# KiCad board master-circuit.kicad_pcb (continued)
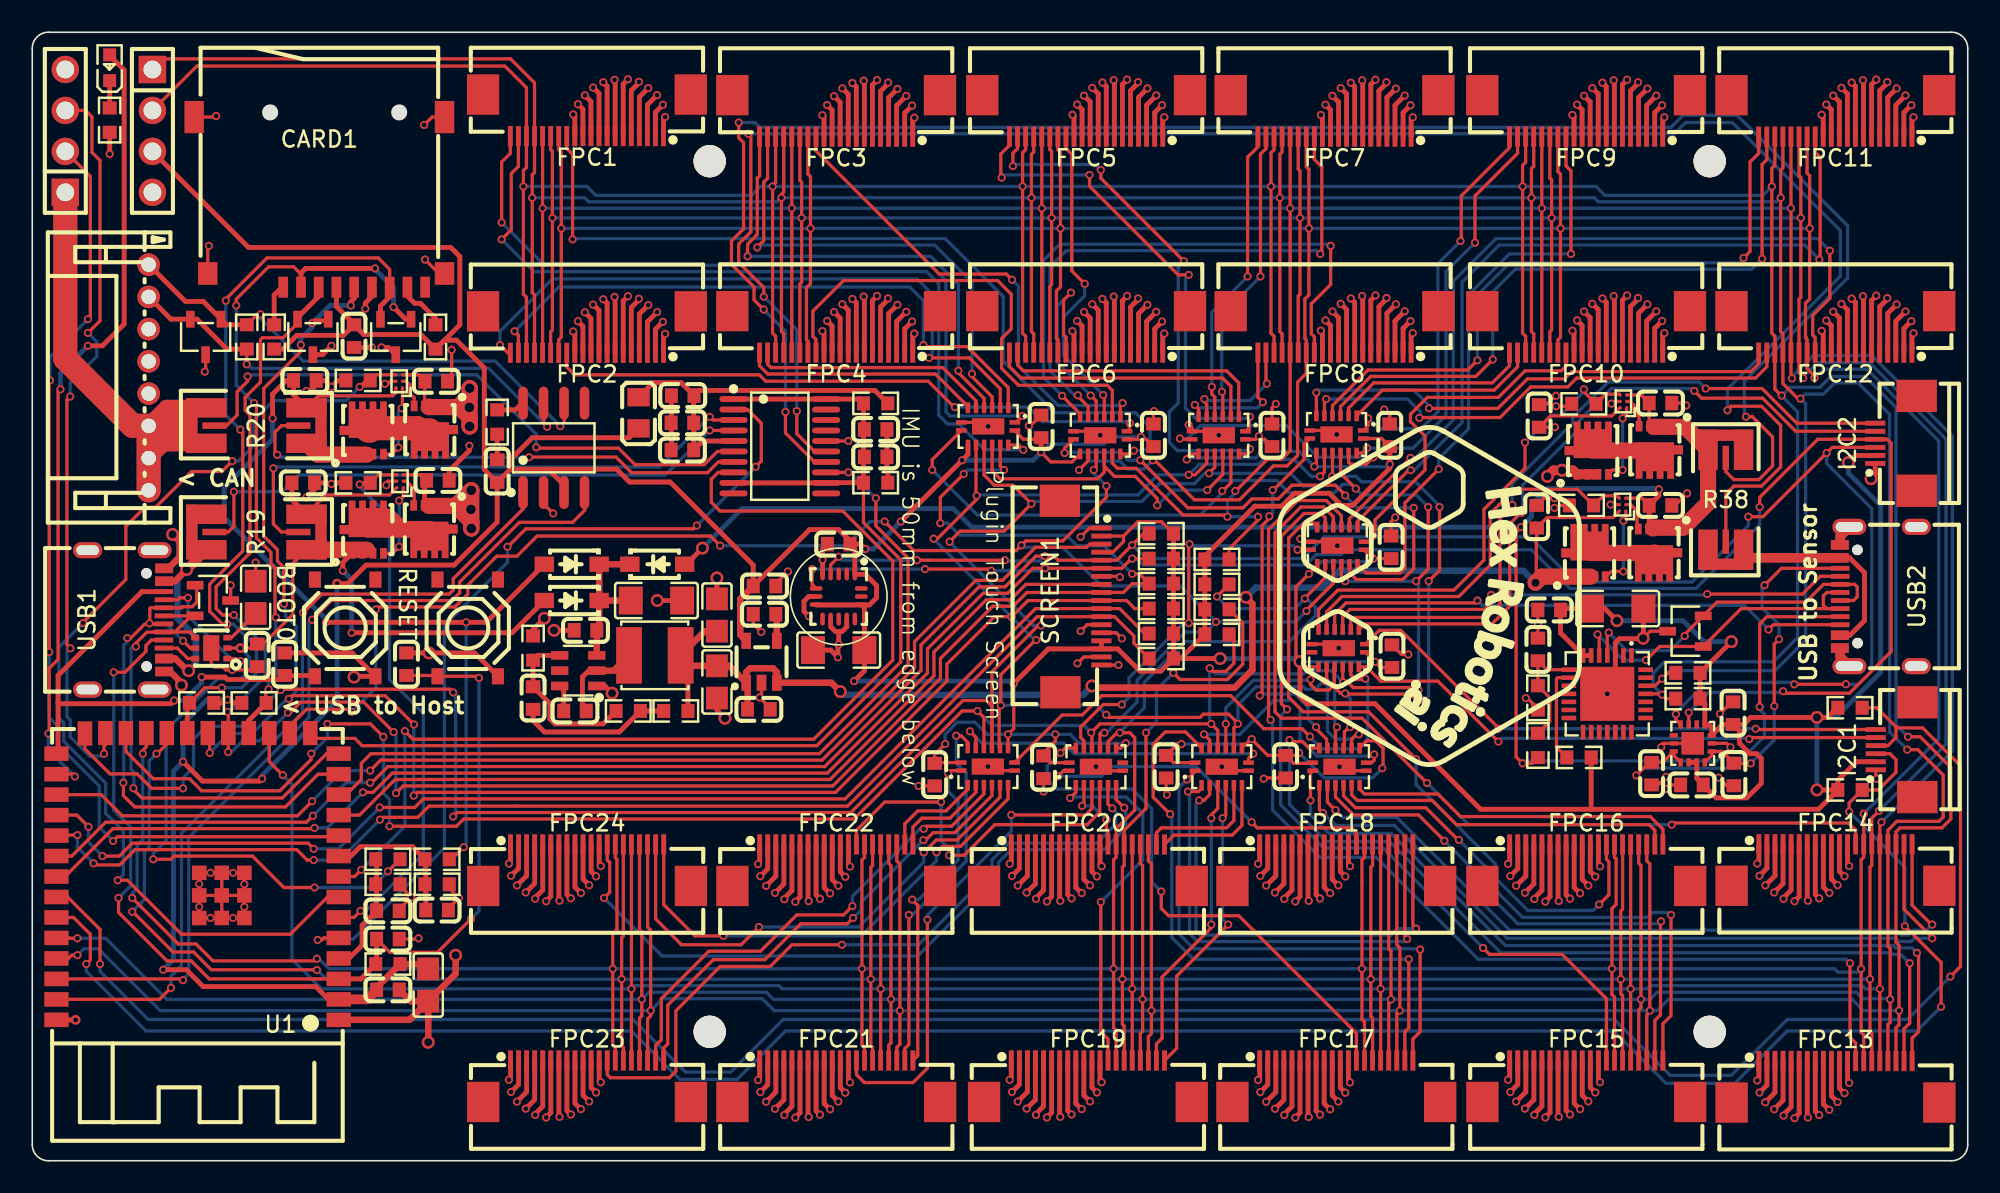
[diagram p0: board, top side]
## Routing (per net, layer and track width the routed paths; a pad name or vN(x,y) marks a point on that pad's centre or on a via; arc(x,y) is an arc through that point) (continued)
3V3A: length 22.7
  Top w0.3: C33.2 41.35,47.78 52.24,47.78 R21.2 ; C33.2 40.23,48.26 38.49,48.26 L2.2 ; C33.2 41.01,47.44 C13.2 41.57,44.65 43.48,44.65
5V: length 83.1
  Top w0.2: v2(93.2,35.85) 93.25,35.9 93.25,38.6 93.28,38.62 C51.2 93.93,39.9 98,39.9 U13.A2
  Top w0.3: L1.2 40.65,30.9 R10.2
  Top w0.4: v2(65.7,29.45) 65.8,29.35 74.55,29.35 75.65,30.45 75.65,34.55 v2(75.25,34.95) ; v2(50.1,29.1) 49.55,29.65 U3.3 46.16,30.3 45.92,30.55 44.51,30.55 44.26,30.3 U3.1 ; U3.1 44.35,29.56 C20.2 ; U3.1 43.21,30.7 C24.2 40.85,30.7 L1.2 41.7,32.85 C23.2
  Top w1: 96.61,36.23 93.58,36.23 v2(93.2,35.85)
  Bottom w0.4: v2(50.1,29.1) 50.3,28.9 65.15,28.9 v2(65.7,29.45) ; v2(93.2,35.85) 92.45,36.6 81.05,36.6 80,35.55 75.85,35.55 v2(75.25,34.95)
GND: length 585.9
  Top w0.2: C25.1 105.37,28.46 v1(104.63,27.72) ; v1(67.55,32.4) 67.2,32.75 SCREEN1.14 ; v1(102.55,46.85) 102.4,47 C38.1 ; D8.3 100.31,32.85 v2(99.88,32.41) ; C42.1 76.86,46.71 v1(77.1,46.95) ; v1(94.47,47.45) 94.43,47.45 93.93,46.95 93.5,46.95 93.45,47 ; v1(67.43,36.2) 67.38,36.25 SCREEN1.7 ; C47.1 70.3,22.75 v1(70.35,22.7) ; v1(10.95,56.75) 10.88,56.68 CARD1.13 ; C26.1 101.6,23.31 v1(101.35,23.06) ; U28.8 74,24.19 v1(73.75,24.44) ; D7.3 10.75,49 v1(10.7,48.95) ; v1(104.55,23.76) 105.05,23.26 C28.1 ; C48.1 v1(54.95,23.25) ; v1(80.91,38.15) 80.66,38.4 U24.8 78.8,38.4 v1(78.62,38.58) ; v1(85.32,31.4) 84.9,31.4 C15.1 ; C44.1 84.16,46.26 v1(83.82,46.6) ; v1(26,50.3) 26,48.6 C36.1 ; SCREEN1.1 65.55,39.25 v1(65,38.7) ; U25.8 80.61,45.3 U25.17 v1(80.87,45.05) ; C9.1 44.7,33.3 v1(45.2,32.8) ; U1.41 U1.41 ; D2.3 12.3,35.7 v1(12.3,35.7) ; v1(114.35,23.7) 114.3,23.75 I2C1.1 ; v1(94.47,46.8) 95.3,46.8 R35.1 ; C19.1 13.75,30.45 v1(12.4,30.45) 12,30.45 11.83,30.62 11.28,30.62 11.1,30.8 U5.7 ; v1(24.3,64.25) 24.79,64.74 CARD1.11 ; C1.1 23.9,13.75 v1(23.95,13.8) ; v1(71.7,45.65) 71.91,45.44 U23.8 73.31,45.25 v1(73.56,45) ; SCREEN1.13 65.4,33.25 v1(65,32.85) ; C41.1 61.88,45.58 v1(61.79,45.58) ; R37.1 94.7,40.65 94.55,40.5 v1(94.38,40.5) ; CARD1.10 25.21,55.04 v1(24.35,55.9) ; U3.2 45.21,28.86 v1(45.1,28.74) 45.75,28.08 C20.1 ; C50.1 101.85,40.65 v1(102.6,41.4) ; v1(50.6,44.65) 50.6,44.65 U11.16 ; v1(81.05,24.44) 81.3,24.19 U26.8 ; v1(65.95,24.44) 66.2,24.19 U27.8 ; CARD1.12 11.34,64.74 v1(11.4,64.8) ; SCREEN1.17 65.2,31.25 v1(64.8,30.85) ; v1(59.25,24.45) 59.5,24.2 U29.8 ; R41.2 93.35,28.05 92.7,28.7 v1(92.6,28.7) ; v1(66.21,45) 65.96,45.25 U21.8 ; 31.72,41.53 31.72,40.73 v1(32.3,40.15) ; U8.8 80.75,32.04 U8.17 v1(81,31.8) ; U2.B2 22.2,48.35 22.04,48.19 v1(21.86,48.19) ; U9.15 U9.9 101.08,25.89 101,25.81 v1(101,25.65) ; U22.8 59.01,45.8 v1(59.26,45.55) ; v1(67.35,30.75) SCREEN1.18 ; C27.1 100.8,23.31 v1(101.3,23.81) ; U13.B2 v1(97.85,40.7) ; v1(94.38,41.1) 93.72,41.1 C51.1 ; C8.1 46.1,35.8 v1(46.85,36.55) ; v1(76.35,23.7) 76.4,23.75 77.7,23.75 C45.1 ; C16.1 v1(93.35,33.25) C18.2 ; R7.1 25.85,16.9 v1(26.45,16.3) 25.8,15.65 C11.1 ; C46.1 v1(62.7,22.9) ; v1(69.55,46.5) 69.51,46.46 C40.1 ; U7.B2 98.05,47.1 v1(97.91,46.96) ; U12.B2 22.05,42.15 21.95,42.05 v1(21.95,41.9) ; U1.41 U1.41 ; C43.1 84.25,39.65 v1(84.5,39.9) ; C10.1 22.75,15.6 v1(23.5,16.35) 22.8,17.05 R3.1 ; v1(13.85,37.1) U6.1 ; U1.41 v1(13.15,17.15) v1(13.15,15.75) U1.41 v1(11.05,15.06) U1.41 v1(10.35,15.75) v1(10.35,17.17) U1.41 v1(11.05,17.86) U1.41
  Top w0.3: 50.5,33.58 50.5,33.12 50.2,32.82 50,32.82 ; v1(91.64,17.66) 92.1,18.12 92.1,19.6 ; v1(36.93,67.09) 36.93,67.07 36.64,66.79 FPC1.6 ; v1(49.71,66.04) 50.09,65.66 50.09,63.51 ; 83.28,53.66 82.99,53.38 82.99,50.15 ; v1(79.89,51.49) 79.99,51.39 79.99,50.15 ; v1(50.7,4.86) 50.6,4.96 50.6,6.2 ; 98.59,50.15 98.59,53.38 98.88,53.66 ; v1(21.05,50.45) C14.1 ; 107.55,19.62 107.55,18.14 v1(107.09,17.68) ; v1(46.05,3.22) 46.6,3.78 46.6,6.2 ; 31.15,6.21 31.15,3.79 v1(30.6,3.23) ; v1(111.93,3.64) 111.55,4.02 111.55,6.17 ; v2(35.95,29) 35.5,29.45 U4.1 ; 108.55,6.17 108.55,3.75 v1(108,3.19) ; 47.31,2.69 47.6,2.97 47.6,6.2 ; v1(95.49,51.49) 95.59,51.39 95.59,50.15 ; v1(76.14,4.26) 76.6,4.72 76.6,6.2 ; 80.6,6.2 80.6,4.05 v1(80.98,3.67) ; v1(65.21,52.65) 65.59,52.27 65.59,50.12 ; 112.55,6.17 112.55,4.93 v1(112.65,4.83) ; 95.1,6.21 95.1,3.11 v1(95.34,2.87) ; 46.6,19.59 46.6,17.17 v1(46.05,16.61) ; R22.1 53.04,42.79 v1(53,42.83) 52.99,42.84 C35.1 v1(52.99,44.53) C34.1 ; v1(34.26,52.63) 34.64,52.25 34.64,50.1 ; 97.1,6.21 97.1,4.97 v1(97.2,4.87) ; 67.59,50.12 67.59,53.35 67.88,53.63 ; 53.09,63.51 53.09,65.93 v1(53.64,66.49) ; 61.2,19.61 61.2,18.13 v1(60.74,17.67) ; v1(65.21,66.07) 65.59,65.69 65.59,63.54 ; v1(84.54,53.13) 83.99,52.57 83.99,50.15 ; 97.1,19.6 97.1,18.36 v1(97.2,18.26) ; C29.1 25.85,42.8 27.1,44.05 v1(27.1,44.35) ; U18.7 48.15,35 47.85,34.7 47.85,34.08 v1(48.15,33.78) ; 49.6,19.59 49.6,17.44 v1(49.98,17.06) ; 51.09,63.51 51.09,66.61 v1(50.85,66.85) ; v1(79.89,64.87) 79.99,64.77 79.99,63.53 ; FPC1.8 35.64,66.66 v1(35.4,66.9) ; SW2.3 27.42,31.5 C5.1 ; v1(100.14,66.51) 99.59,65.95 99.59,63.53 ; 78.31,16.1 78.6,16.38 78.6,19.61 ; 65.2,6.21 65.2,4.06 v1(65.58,3.68) ; v1(45.14,17.65) 45.6,18.11 45.6,19.59 ; CARD1.6 21.06,53.61 20.65,53.2 v1(20.65,52.85) ; 49,36.38 v1(49,37.28) 49,37.95 C31.1 ; v1(66.3,18.27) 66.2,18.37 66.2,19.61 ; v1(29.69,17.68) 30.15,18.14 FPC24.2 ; 115.04,50.14 115.04,52.56 v1(115.59,53.12) ; C33.1 v1(39.63,46.59) 39.63,44.1 C13.1 ; 69.59,63.54 69.59,65.02 v1(70.05,65.48) ; 49.5,33.58 49.5,33.12 49.8,32.82 50,32.82 ; R23.2 v1(4.8,62.45) ; v1(116.5,65.48) 116.04,65.02 116.04,63.54 ; v1(34.26,66.09) 34.64,65.71 FPC1.10 ; FPC24.4 31.15,17.2 v1(30.6,16.64) ; 109.26,16.11 109.55,16.39 109.55,19.62 ; v1(64.49,51.46) 64.59,51.36 64.59,50.12 ; FPC24.6 32.15,16.39 31.86,16.11 ; 81.6,19.61 81.6,18.37 v1(81.7,18.27) ; 92.1,6.21 92.1,4.73 v1(91.64,4.27) ; v1(69.14,66.52) 68.59,65.96 68.59,63.54 ; 53.09,50.12 53.09,52.54 v1(53.64,53.1) ; D4.3 22.08,50.45 v1(21.65,50.45) ; 93.1,6.21 93.1,3.79 v1(92.55,3.23) ; 62.91,16.1 63.2,16.38 63.2,19.61 ; C4.1 19.83,31.5 SW1.3 20,30.05 v2(19.95,30) ; v1(49.71,52.65) 50.09,52.27 50.09,50.12 ; C17.1 99.89,32.43 v2(99.88,32.41) 99.85,32.39 98.4,32.39 98.15,32.13 U10.3 98.15,29.46 v1(97.65,28.96) ; 67.59,63.54 67.59,66.77 67.88,67.05 ; 97.59,50.15 97.59,53.25 v1(97.35,53.49) ; 65.2,19.61 65.2,17.46 v1(65.58,17.08) ; v1(66.35,66.88) 66.59,66.64 66.59,63.54 ; 30.15,6.21 30.15,4.73 v1(29.69,4.27) ; 31.86,2.7 32.15,2.98 32.15,6.21 ; C22.1 v2(32.35,32.9) ; 81.6,6.2 81.6,4.96 v1(81.7,4.86) ; v1(96.21,52.68) 96.59,52.3 96.59,50.15 ; 52.38,67.02 52.09,66.74 52.09,63.51 ; FPC24.8 33.15,16.52 v1(33.39,16.28) ; 36.64,50.1 36.64,53.33 36.93,53.61 ; 96.59,63.53 96.59,65.68 v1(96.21,66.06) ; v1(35.25,18.28) 35.15,18.38 FPC24.12 ; v2(31.75,33.65) 31.05,32.95 R6.1 ; v1(111.66,52.67) 112.04,52.29 112.04,50.14 ; 63.2,6.21 63.2,2.98 62.91,2.7 ; v1(111.66,66.07) 112.04,65.69 112.04,63.54 ; v1(116.5,52.08) 116.04,51.62 116.04,50.14 ; 69.59,50.12 69.59,51.6 v1(70.05,52.06) ; v1(50.7,18.25) 50.6,18.35 50.6,19.59 ; v1(54.55,65.45) 54.09,64.99 54.09,63.51 ; 111.55,19.62 111.55,17.47 v1(111.93,17.09) ; 50,32.82 v1(50,32.03) 49.95,31.98 v1(49.95,31.23) 49.5,31.68 C32.1 ; v1(48.84,16.25) 48.6,16.49 48.6,19.59 ; v1(77.05,16.63) 77.6,17.19 77.6,19.61 ; 33.64,50.1 33.64,51.34 v1(33.54,51.44) ; R34.1 18.95,48.4 v1(18.55,48) 18.15,48.4 C37.1 17.6,48.11 17.24,47.75 v1(17,47.75) ; 47.6,19.59 47.6,16.36 47.31,16.08 ; D6.3 18,50 v1(18.55,50.55) ; 79.6,6.2 79.6,3.1 v1(79.84,2.86) ; 109.55,6.17 109.55,2.94 109.26,2.66 ; 100.59,50.15 100.59,51.63 v1(101.05,52.09) ; 112.55,19.62 112.55,18.38 v1(112.65,18.28) ; R31.1 v1(28.83,44.25) C30.1 ; 49.6,6.2 49.6,4.05 v1(49.98,3.67) ; v1(64.44,16.27) 64.2,16.51 64.2,19.61 ; v1(61.65,16.63) 62.2,17.19 62.2,19.61 ; v1(76.14,17.67) 76.6,18.13 76.6,19.61 ; 110.55,6.17 110.55,3.07 v1(110.79,2.83) ; v1(33.54,64.9) 33.64,64.8 FPC1.12 ; 84.99,50.15 84.99,51.63 v1(85.45,52.09) ; v1(80.61,52.68) 80.99,52.3 80.99,50.15 ; v1(80.61,66.06) 80.99,65.68 80.99,63.53 ; 93.1,19.6 93.1,17.18 v1(92.55,16.62) ; 79.6,19.61 79.6,16.51 v1(79.84,16.27) ; v1(115.59,66.52) 115.04,65.96 115.04,63.54 ; v1(61.65,3.23) 62.2,3.79 62.2,6.21 ; R36.1 18.85,42.05 18.79,41.99 v1(18.55,41.99) 18.31,41.99 18.25,42.05 C49.1 17.5,41.65 v1(17,41.15) ; 111.04,63.54 111.04,64.78 v1(110.94,64.88) ; 98.59,63.53 98.59,66.76 98.88,67.04 ; 78.31,2.69 78.6,2.97 78.6,6.2 ; v1(84.54,66.51) 83.99,65.95 83.99,63.53 ; I2C2.1 114.26,42.56 v2(114.01,42.31) ; 84.99,63.53 84.99,65.01 v1(85.45,65.47) ; v1(100.14,53.13) 99.59,52.57 99.59,50.15 ; v1(66.35,53.46) 66.59,53.22 66.59,50.12 ; 82.99,63.53 82.99,66.76 83.28,67.04 ; v1(39.1,52.04) 38.64,51.58 38.64,50.1 ; v1(112.8,53.48) 113.04,53.24 113.04,50.14 ; 95.1,19.6 95.1,16.5 v1(95.34,16.26) ; 34.15,6.21 34.15,4.06 v1(34.53,3.68) ; 95.59,63.53 95.59,64.77 v1(95.49,64.87) ; v1(60.74,4.27) 61.2,4.73 61.2,6.21 ; v1(81.75,53.49) 81.99,53.25 81.99,50.15 ; 52.38,53.63 52.09,53.35 52.09,50.12 ; 96.1,19.6 96.1,17.45 v1(96.48,17.07) ; v1(38.19,66.54) 37.64,65.98 FPC1.4 ; v1(80.98,17.08) 80.6,17.46 80.6,19.61 ; v1(81.75,66.87) 81.99,66.63 81.99,63.53 ; 64.2,6.21 64.2,3.11 v1(64.44,2.87) ; 49.09,50.12 49.09,51.36 v1(48.99,51.46) ; C21.1 v2(38.75,34.75) ; 94.1,19.6 94.1,16.37 93.81,16.09 ; 49.09,63.51 49.09,64.75 v1(48.99,64.85) ; 37.64,50.1 37.64,52.52 v1(38.19,53.08) ; 48.6,6.2 48.6,3.1 v1(48.84,2.86) ; 45.6,6.2 45.6,4.72 v1(45.14,4.26) ; v1(110.79,16.28) 110.55,16.52 110.55,19.62 ; 111.04,50.14 111.04,51.38 v1(110.94,51.48) ; 100.59,63.53 100.59,65.01 v1(101.05,65.47) ; 114.04,50.14 114.04,53.37 114.33,53.65 ; FPC1.2 38.64,65.04 v1(39.1,65.5) ; v3(2.69,8.74) U1.40 ; v1(54.55,52.06) 54.09,51.6 54.09,50.12 ; 51.09,50.12 51.09,53.22 v1(50.85,53.46) ; 33.15,6.21 33.15,3.11 v1(33.39,2.87) ; v1(35.25,4.87) 35.15,4.97 35.15,6.21 ; 108.55,19.62 108.55,17.2 v1(108,16.64) ; 68.59,50.12 68.59,52.54 v1(69.14,53.1) ; 107.55,6.17 107.55,4.69 v1(107.09,4.23) ; FPC24.10 34.15,17.47 v1(34.53,17.09) ; v2(42.95,27.45) 42.45,27.95 C24.1 ; 35.64,50.1 35.64,53.2 v1(35.4,53.44) ; C23.1 v2(42.45,36.15) ; 114.04,63.54 114.04,66.77 114.33,67.05 ; 93.81,2.7 94.1,2.98 94.1,6.21 ; 66.2,6.21 66.2,4.97 v1(66.3,4.87) ; 96.1,6.21 96.1,4.06 v1(96.48,3.68) ; 113.04,63.54 113.04,66.64 v1(112.8,66.88) ; v1(77.05,3.22) 77.6,3.78 77.6,6.2 ; v1(97.35,66.87) 97.59,66.63 97.59,63.53 ; v1(64.49,64.88) 64.59,64.78 64.59,63.54
  Top w0.4: 8.16,36.75 8.44,36.75 9.14,37.45 9.14,38.41 v2(8.7,38.85) ; C3.1 23.45,9.9 C2.1 ; C3.1 v2(24.55,7.35) ; C3.1 26.25,11.6 v2(26.25,12.75) ; C3.1 23.39,8.74 U1.1 ; 8.16,30.35 8.54,30.35 9.25,29.64 v2(9.25,29.5)
  Top w0.6: USB2.2 112.09,38.75 112.09,38.2 ; USB2.1 112.09,31.25 112.09,31.8
  Bottom w0.2: v1(23.5,16.35) 23.28,16.57
  vias: v1(12.45,17.86) v1(12.45,15.06) v1(31.86,16.09) v1(31.86,2.68) v1(36.93,53.63) v1(39.63,44.91) v1(47.31,16.06) v1(47.31,2.67) v1(52.38,67.04) v1(52.38,53.65) v1(62.91,16.08) v1(62.91,2.68) v1(67.88,67.07) v1(67.88,53.65) v1(78.31,16.08) v1(78.31,2.67) v1(83.28,67.06) v1(83.28,53.68) v1(93.81,16.07) v1(93.81,2.68) v1(98.88,67.06) v1(98.88,53.68) v1(109.26,16.09) v1(109.26,2.64) v1(114.33,67.07) v1(114.33,53.67) v2(24.6,31.5)
VBATTERY: length 62.2
  Top w0.2: U2.A2 22.55,47.65 22.35,47.45 17.75,47.45 R20.1 ; R4.2 26,18.7 v1(26.75,19.45)
  Top w0.3: R20.1 16.2,47.5 C37.2 15.75,48.4 14.9,47.55 v1(14.9,46.05) ; D3.2 28.15,33.4 v1(18.2,33.4)
  Top w1: 20.75,43.8 17.7,43.8 R20.1
  Bottom w0.2: v1(26.75,19.45) 26.9,19.6 v1(26.9,33.4)
  Bottom w0.3: v1(18.2,33.4) 18.2,33.6 11.9,39.9 11.9,41.75 14.9,44.75 v1(14.9,46.05)
VBATTERY_PINS: length 31.2
  Top w1: R20.2 8.13,44.5 U19.7 ; R20.2 8.33,46.7 U19.6
  Top w1.5: U19.8 U19.6 ; U19.6 6.23,45.59 2.05,49.76 H2.1 ; U19.6 9.19,45.59 9.2,45.6
VBUS: length 73.4
  Top w0.2: v1(17.5,16.95) 15.6,16.95 13.65,18.9 8.8,18.9 8.6,18.7 v1(7.5,18.7) ; R19.1 16.15,37.05 16.15,33.88 14.33,32.05 C19.2 13.7,31.8 v3(12.9,31.8) U5.2 ; U12.A2 22.15,41.3 18.2,41.3 R19.1 ; v1(22.05,17.95) 22.8,18.7 R2.2
  Top w0.3: R19.1 16.1,41 C49.2 ; v1(19.8,32.75) 29.75,32.75 D1.2 ; v1(19.25,36.6) 19.25,37.1 Q6.1
  Top w1: R19.1 20.75,37.9
  Bottom w0.2: v3(12.9,31.8) 13.45,31.25 13.45,30.4 12.94,29.89 11.49,29.89 8.3,26.7 8.3,19.85 7.5,19.05 v1(7.5,18.7) ; v1(17.5,16.95) 21.05,16.95 v1(22.05,17.95)
  Bottom w0.3: v1(19.25,36.6) 19.8,36.05 v1(19.8,32.75)
VBUS_CURRENT: length 54.2
  Top w0.2: U1.5 18.07,13.82 17.95,13.7 v1(17.7,13.7) ; v1(41.2,39.4) 41,39.2 30.6,39.2 29.49,38.09 v1(29.46,38.09) ; v1(44.85,43.05) 45.2,43.4 45.2,45.75 44.35,46.6 43.48,46.6
  Bottom w0.2: v1(41.2,39.4) v1(44.85,43.05) ; v1(29.46,38.09) 29.46,37.11 25.55,33.2 25.55,19.4 19.9,13.75 17.75,13.75 v1(17.7,13.7)
VBUS_PINS: length 12.5
  Top w0.4: v2(9.58,36.67) 8.85,35.95 8.16,35.95 ; v2(9.7,30.39) 9.63,30.39 8.87,31.15 8.16,31.15
  Top w0.6: R19.2 v2(9.58,36.67)
  Bottom w0.4: v2(9.58,36.67) 9,36.1 9,33.65 10.15,32.5 10.15,30.85 v2(9.7,30.39)
VBUS_VOLTAGE: length 7.5
  Top w0.3: U1.4 19.63,12.55 20.45,13.37 20.45,14.6 C10.2 21.35,18.65 R2.1
VCC: length 423
  Top w0.2: C29.2 24.1,42.55 U12.C1 ; 24.32,46.77 24.32,48.32 C36.2 23.95,48.75 U2.C1 ; U7.A2 98.43,46.7 97.93,46.2 94.12,46.2 C39.2 v1(94.4,45.5)
  Top w0.3: v1(111.23,52.12) 111.54,51.81 111.54,50.14 ; v1(79.14,2.71) 79.1,2.75 79.1,6.2 ; 80.49,50.15 80.49,51.82 v1(80.18,52.13) ; 115.54,50.14 115.54,52.08 v1(116.14,52.68) ; v1(54.19,52.66) 53.59,52.06 53.59,50.12 ; v1(76.5,3.66) 77.1,4.26 77.1,6.2 ; v1(54.69,51.31) 54.59,51.21 54.59,50.12 ; 107.05,6.17 107.05,5.08 v1(106.95,4.98) ; FPC24.3 30.65,17.68 v1(30.05,17.08) ; FPC1.9 35.14,66.21 34.78,66.57 v1(34.77,66.57) ; v1(49.47,16.58) 49.46,16.58 49.1,16.94 49.1,19.59 ; v1(111.23,65.52) 111.54,65.21 111.54,63.54 ; v1(65.07,3.2) 65.06,3.2 64.7,3.56 64.7,6.21 ; v1(61.1,17.07) 61.7,17.67 61.7,19.61 ; 65.09,63.54 65.09,65.21 v1(64.78,65.52) ; v1(112.17,66.55) 112.18,66.55 112.54,66.19 112.54,63.54 ; v1(79.14,16.12) 79.1,16.16 79.1,19.61 ; 65.09,50.12 65.09,51.79 v1(64.78,52.1) ; v1(32.69,2.72) 32.65,2.76 32.65,6.21 ; 83.49,63.53 83.49,66.36 83.96,66.83 v1(83.96,66.9) ; v1(54.19,66.05) 53.59,65.45 53.59,63.51 ; v1(106.95,18.43) 107.05,18.53 107.05,19.62 ; FPC24.5 31.65,16.79 31.18,16.32 v1(31.18,16.25) ; 98.09,50.15 98.09,53.6 v1(98.05,53.64) ; v1(92,17.06) 92.6,17.66 92.6,19.6 ; v1(116.14,66.08) 115.54,65.48 115.54,63.54 ; 113.54,63.54 113.54,66.99 v1(113.5,67.03) ; v1(50.22,53.13) 50.23,53.13 50.59,52.77 50.59,50.12 ; v1(94.64,16.11) 94.6,16.15 94.6,19.6 ; 35.14,50.1 35.14,52.75 34.78,53.11 v1(34.77,53.11) ; v1(93.13,16.23) 93.13,16.3 93.6,16.77 93.6,19.6 ; 67.09,63.54 67.09,66.99 v1(67.05,67.03) ; v1(53.06,53.49) 53.06,53.42 52.59,52.95 52.59,50.12 ; 80.49,63.53 80.49,65.2 v1(80.18,65.51) ; 68.09,63.54 68.09,66.37 68.56,66.84 v1(68.56,66.91) ; 66.09,50.12 66.09,52.77 65.73,53.13 v1(65.72,53.13) ; 98.09,63.53 98.09,66.98 v1(98.05,67.02) ; v1(45.5,17.05) 46.1,17.65 46.1,19.59 ; 24.33,40.62 24.33,42.08 C29.2 ; v1(110.09,16.13) 110.05,16.17 110.05,19.62 ; 62.7,19.61 62.7,16.78 62.23,16.31 v1(62.23,16.24) ; 82.49,63.53 82.49,66.98 v1(82.45,67.02) ; v1(81.41,4.22) 81.1,4.53 81.1,6.2 ; 93.6,6.21 93.6,3.38 93.13,2.91 v1(93.13,2.84) ; v1(94.64,2.72) 94.6,2.76 94.6,6.21 ; v1(65.07,16.6) 65.06,16.6 64.7,16.96 64.7,19.61 ; v1(100.69,52.69) 100.09,52.09 100.09,50.15 ; v1(115.01,53.51) 115.01,53.44 114.54,52.97 114.54,50.14 ; v1(99.56,66.9) 99.56,66.83 99.09,66.36 99.09,63.53 ; v1(99.56,53.52) 99.56,53.45 99.09,52.98 99.09,50.15 ; v1(96.91,4.23) 96.6,4.54 96.6,6.21 ; 112.54,50.14 112.54,52.79 112.18,53.15 v1(112.17,53.15) ; v1(66.01,17.63) 65.7,17.94 65.7,19.61 ; 69.09,63.54 69.09,65.48 v1(69.69,66.08) ; v1(85.59,51.34) 85.49,51.24 85.49,50.15 ; v1(34.96,4.23) 34.65,4.54 34.65,6.21 ; 91.6,19.6 91.6,18.51 v1(91.5,18.41) ; 109.05,19.62 109.05,16.79 108.58,16.32 v1(108.58,16.25) ; 48.1,19.59 48.1,16.14 v1(48.14,16.1) ; 47.1,6.2 47.1,3.37 46.63,2.9 v1(46.63,2.83) ; 46.1,6.2 46.1,4.26 v1(45.5,3.66) ; v1(50.22,66.52) 50.23,66.52 50.59,66.16 50.59,63.51 ; 70.09,63.54 70.09,64.63 v1(70.19,64.73) ; 97.09,63.53 97.09,66.18 96.73,66.54 v1(96.72,66.54) ; 77.1,19.61 77.1,17.67 v1(76.5,17.07) ; 116.54,50.14 116.54,51.23 v1(116.64,51.33) ; v1(108.58,2.8) 108.58,2.87 109.05,3.34 109.05,6.17 ; v1(50.41,4.22) 50.1,4.53 50.1,6.2 ; 70.09,50.12 70.09,51.21 v1(70.19,51.31) ; 54.59,63.51 54.59,64.6 v1(54.69,64.7) ; 108.05,6.17 108.05,4.23 v1(107.45,3.63) ; v1(68.56,53.49) 68.56,53.42 68.09,52.95 68.09,50.12 ; v1(33.83,52.08) 34.14,51.77 34.14,50.1 ; 60.7,6.21 60.7,5.12 v1(60.6,5.02) ; 30.65,6.21 30.65,4.27 v1(30.05,3.67) ; 69.09,50.12 69.09,52.06 v1(69.69,52.66) ; 52.59,63.51 52.59,66.34 53.06,66.81 v1(53.06,66.88) ; 96.09,50.15 96.09,51.82 v1(95.78,52.13) ; v1(67.05,53.61) 67.09,53.57 67.09,50.12 ; v1(81.41,17.63) 81.1,17.94 81.1,19.61 ; 49.59,63.51 49.59,65.18 v1(49.28,65.49) ; 49.1,6.2 49.1,3.55 49.46,3.19 v1(49.47,3.19) ; 84.49,63.53 84.49,65.47 v1(85.09,66.07) ; 108.05,19.62 108.05,17.68 v1(107.45,17.08) ; 31.65,6.21 31.65,3.38 31.18,2.91 v1(31.18,2.84) ; v1(37.61,66.93) 37.61,66.86 37.14,66.39 FPC1.5 ; v1(115.01,66.91) 115.01,66.84 114.54,66.37 114.54,63.54 ; v1(62.23,2.84) 62.23,2.91 62.7,3.38 62.7,6.21 ; FPC1.3 38.14,65.5 v1(38.74,66.1) ; 101.09,50.15 101.09,51.24 v1(101.19,51.34) ; FPC24.1 29.65,18.53 v1(29.55,18.43) ; 97.09,50.15 97.09,52.8 96.73,53.16 v1(96.72,53.16) ; 112.05,6.17 112.05,4.5 v1(112.36,4.19) ; v1(39.24,64.75) 39.14,64.65 FPC1.1 ; v1(110.09,2.68) 110.05,2.72 110.05,6.17 ; v1(101.19,64.72) 101.09,64.62 101.09,63.53 ; v1(77.63,16.24) 77.63,16.31 78.1,16.78 78.1,19.61 ; v1(63.74,16.12) 63.7,16.16 63.7,19.61 ; v1(80.47,3.19) 80.46,3.19 80.1,3.55 80.1,6.2 ; v1(81.12,53.16) 81.13,53.16 81.49,52.8 81.49,50.15 ; v1(77.63,2.83) 77.63,2.9 78.1,3.37 78.1,6.2 ; 84.49,50.15 84.49,52.09 v1(85.09,52.69) ; 116.54,63.54 116.54,64.63 v1(116.64,64.73) ; 111.05,6.17 111.05,3.52 111.41,3.16 v1(111.42,3.16) ; v1(95.97,3.2) 95.96,3.2 95.6,3.56 95.6,6.21 ; v1(49.28,52.1) 49.59,51.79 49.59,50.12 ; 80.1,19.61 80.1,16.96 80.46,16.6 v1(80.47,16.6) ; v1(85.59,64.72) 85.49,64.62 85.49,63.53 ; v1(29.55,5.02) 29.65,5.12 29.65,6.21 ; 66.09,63.54 66.09,66.19 65.73,66.55 v1(65.72,66.55) ; 92.6,6.21 92.6,4.27 v1(92,3.67) ; FPC24.11 34.65,17.95 v1(34.96,17.64) ; v1(45,5.01) 45.1,5.11 45.1,6.2 ; v1(95.97,16.59) 95.96,16.59 95.6,16.95 95.6,19.6 ; 61.7,6.21 61.7,4.27 v1(61.1,3.67) ; v1(95.78,65.51) 96.09,65.2 96.09,63.53 ; v1(60.6,18.42) 60.7,18.52 60.7,19.61 ; v1(36.1,67.05) 36.14,67.01 FPC1.7 ; v1(51.55,53.61) 51.59,53.57 51.59,50.12 ; v1(38.74,52.64) 38.14,52.04 38.14,50.1 ; v1(51.55,67) 51.59,66.96 51.59,63.51 ; 76.1,6.2 76.1,5.11 v1(76,5.01) ; v1(32.69,16.13) 32.65,16.17 FPC24.7 ; FPC24.9 33.65,16.97 34.01,16.61 v1(34.02,16.61) ; 81.49,63.53 81.49,66.18 81.13,66.54 v1(81.12,66.54) ; 111.05,19.62 111.05,16.97 111.41,16.61 v1(111.42,16.61) ; 36.14,50.1 36.14,53.55 v1(36.1,53.59) ; 113.54,50.14 113.54,53.59 v1(113.5,53.63) ; 63.7,6.21 63.7,2.76 v1(63.74,2.72) ; v1(46.63,16.22) 46.63,16.29 47.1,16.76 47.1,19.59 ; 65.7,6.21 65.7,4.54 v1(66.01,4.23) ; v1(76,18.42) 76.1,18.52 76.1,19.61 ; v1(91.5,5.02) 91.6,5.12 91.6,6.21 ; v1(37.61,53.47) 37.61,53.4 37.14,52.93 37.14,50.1 ; v1(34.02,3.2) 34.01,3.2 33.65,3.56 33.65,6.21 ; v1(39.24,51.29) 39.14,51.19 39.14,50.1 ; 45.1,19.59 45.1,18.5 v1(45,18.4) ; v1(50.41,17.61) 50.1,17.92 50.1,19.59 ; v1(100.69,66.07) 100.09,65.47 100.09,63.53 ; 48.1,6.2 48.1,2.75 v1(48.14,2.71) ; v1(83.96,53.52) 83.96,53.45 83.49,52.98 83.49,50.15 ; v1(112.36,17.64) 112.05,17.95 112.05,19.62 ; v1(96.91,17.62) 96.6,17.93 96.6,19.6 ; FPC1.11 34.14,65.23 v1(33.83,65.54) ; 82.49,50.15 82.49,53.6 v1(82.45,53.64)
  Top w0.6: 96.8,42.55 96.77,42.58 Q4.1 95.52,42.83 v2(94.85,42.83) 94.32,42.83 v2(93.94,42.45)
  Top w1: 26.47,46.75 27.12,46.1 v4(27.12,45.55) v4(27.12,47.92) 27.12,47.47 26.4,46.75 24.59,46.75 24.59,46.78 ; 26.25,40.62 27.22,39.65 v4(27.22,39.22) v4(27.22,41.59) 26.25,40.62 ; 26.25,40.62 24.59,40.62
  vias: v4(27.1,46.73) v4(27.2,40.4)
+Probe-1: length 36
  Top w0.2: v1(12.5,41.5) 12.5,39.35 12.15,39 R19.4 ; 43.48,45.3 43.48,45.3 v1(42,45.3)
  Bottom w0.2: v1(12.5,41.5) 15.5,41.5 16.54,42.54 39.24,42.54 v1(42,45.3)
+Probe-2: length 37.6
  Top w0.2: v1(31.25,44.25) 31.3,44.2 36.35,44.2 37.37,43.18 41.66,43.18 42.47,44 43.48,44 ; R20.4 12.05,45.6 12.7,46.25 12.7,47.7 13.35,48.35 v1(13.35,48.65)
  Bottom w0.2: v1(13.35,48.65) 13.45,48.75 27.56,48.75 31.25,45.06 v1(31.25,44.25)
+Probe-3: length 121.1
  Top w0.2: v1(44.4,63.7) 44.55,63.55 44.55,57.62 43.8,56.87 43.8,55.72 45.35,54.17 v1(45.35,53.6) ; v1(47.4,46.5) 47.4,45.1 48.5,44 U11.15 ; R38.4 105,41.35 105.5,41.85 107.22,41.85 108.4,43.03 108.4,45.62 107.22,46.8 105.3,46.8 105.3,46.75 v1(105.1,46.55)
  Bottom w0.2: v1(44.4,63.7) 101.8,63.7 102.5,64.4 105.4,64.4 112.1,57.7 112.1,54.87 105.1,47.87 v1(105.1,46.55) ; v1(45.35,53.6) 47.4,51.55 v1(47.4,46.5)
-Probe-1: length 35.1
  Top w0.2: R19.3 15.45,39 14.95,39.5 v1(14.95,42.95) ; 43.48,45.95 42.2,45.95 v1(42,46.15)
  Bottom w0.2: v1(14.95,42.95) 15.04,43.04 38.89,43.04 v1(42,46.15)
-Probe-2: length 32.1
  Top w0.2: 43.48,43.35 42.53,43.35 41.87,42.68 37.16,42.68 36.19,43.65 30.81,43.65 v1(30.8,43.64) ; v1(15.19,43.79) 15.05,43.93 15.05,45.2 15.45,45.6 R20.3
  Bottom w0.2: v1(30.8,43.64) 15.34,43.64 v1(15.19,43.79)
-Probe-3: length 119.3
  Top w0.2: v1(106.25,46.15) 106.65,46.15 107.9,44.9 107.9,43.1 107.05,42.25 105.5,42.25 105,42.75 R38.3 ; v1(45.35,52.8) 44.75,53.4 44.75,54.2 43.35,55.6 43.35,57.05 44.1,57.8 44.1,63.15 43.8,63.45 v1(43.8,64.4) ; v1(46.7,46.45) 46.7,45.15 48.5,43.35 U11.14
  Bottom w0.2: v1(43.8,64.4) 44.8,64.4 45.1,64.1 101.6,64.1 102.35,64.85 105.7,64.85 112.55,58 112.55,54.75 106.15,48.35 106.15,46.25 v1(106.25,46.15) ; 45.3,52.85 v1(45.35,52.8) 46.7,51.45 v1(46.7,46.45)
/Buck-Bootstrap-Capacitor: length 1.7
  Top w0.3: U4.6 32.95,29.2 C7.1
/Buck-Output-SW: length 5.7
  Top w0.3: C7.2 34.11,28.14 34.11,30.01 34.5,30.4 U4.2
  Top w0.4: L1.1 36.05,30.4 U4.2
/Buck-Probe-Point: length 9.6
  Top w0.3: R10.1 R5.2 36.4,26.6 31.75,26.6 31.05,27.3 C6.2
/group-of-8-servo-connectors1/master-to-servo-connector1/SERVO_BOOT0/STOP: length 12.1
  Top w0.2: FPC10.19 92.09,49.25 90.64,47.8 83.71,47.8 U25.2
/group-of-8-servo-connectors1/master-to-servo-connector1/SERVO_CS: length 21.8
  Top w0.2: FPC10.13 95.09,49.29 94.8,49 92.55,49 90.9,47.35 86.49,47.35 85.45,46.31 85.45,45.85 86.35,44.95 86.35,42.85 83.25,39.75 83.25,38.7 82.95,38.4 U24.1
/group-of-8-servo-connectors1/master-to-servo-connector1/SERVO_NRST: length 12.4
  Top w0.2: U25.3 81.61,46.69 83.17,48.25 90.52,48.25 91.59,49.32 FPC10.20
/group-of-8-servo-connectors1/master-to-servo-connector2/SERVO_BOOT0/STOP: length 40.7
  Top w0.2: U25.4 81.11,46.78 82.98,48.65 89.5,48.65 v1(90.55,49.7) ; v1(107.25,55.95) 107.25,61.8 107.54,62.09 FPC11.19
  Bottom w0.2: v1(107.25,55.95) 106.6,55.3 91.95,55.3 90.55,53.9 v1(90.55,49.7)
/group-of-8-servo-connectors1/master-to-servo-connector2/SERVO_CS: length 49.3
  Top w0.2: FPC11.13 110.54,62.56 110.85,62.25 110.85,55.95 v1(110.8,55.9) ; U24.2 82.16,39.66 85.34,42.84 v1(85.46,42.84)
  Bottom w0.2: v1(85.46,42.84) 85.69,42.84 88.65,45.8 88.65,54.5 90.95,56.8 109.9,56.8 v1(110.8,55.9)
/group-of-8-servo-connectors1/master-to-servo-connector2/SERVO_NRST: length 40.2
  Top w0.2: v1(89.6,49.65) 89,49.05 82.82,49.05 80.61,46.85 U25.5 ; FPC11.20 107.04,62.49 106.5,61.95 106.5,56.4 v1(106.1,56)
  Bottom w0.2: v1(89.6,49.65) 89.6,53.7 91.6,55.7 105.85,55.7 106.1,55.95 v1(106.1,56)
/group-of-8-servo-connectors1/master-to-servo-connector3/SERVO_BOOT0/STOP: length 31.4
  Top w0.2: U25.6 80.11,47.14 v1(80.22,47.25) ; v1(86,46.08) 86.02,46.1 91,46.1 92.9,48 95.2,48 95.75,48.55 106.84,48.55 107.54,49.25 FPC12.19
  Bottom w0.2: v1(86,46.08) 86.06,46.14 86.06,46.46 85.27,47.25 v1(80.22,47.25)
/group-of-8-servo-connectors1/master-to-servo-connector3/SERVO_CS: length 49.7
  Top w0.2: U24.3 81.66,39.81 v1(85.45,43.6) ; v1(111.45,56.45) 111.45,53.5 110.39,52.44 110.39,51.22 110.54,51.07 FPC12.13
  Bottom w0.2: v1(85.45,43.6) 85.75,43.6 88.1,45.95 88.1,54.55 90.75,57.2 110.7,57.2 v1(111.45,56.45)
/group-of-8-servo-connectors1/master-to-servo-connector3/SERVO_NRST: length 31.3
  Top w0.2: v1(79.61,47.65) U25.7 ; v1(86.6,46.68) 86.61,46.67 90.87,46.67 92.7,48.5 95,48.5 95.45,48.95 106.55,48.95 107.04,49.44 FPC12.20
  Bottom w0.2: v1(79.61,47.65) 79.76,47.8 85.65,47.8 86.59,46.86 86.59,46.69 v1(86.6,46.68)
/group-of-8-servo-connectors1/master-to-servo-connector4/SERVO_BOOT0/STOP: length 54.8
  Top w0.2: v1(116.4,12.25) 116.4,8.53 116.05,8.18 FPC13.19 ; v1(77.95,26.1) 78.05,26 78.75,26 79.15,25.6 U26.15
  Bottom w0.2: v1(116.4,12.25) 115.85,12.8 115.37,12.8 115.27,12.9 91.05,12.9 84.15,19.8 80.25,19.8 77.95,22.1 v1(77.95,26.1)
/group-of-8-servo-connectors1/master-to-servo-connector4/SERVO_CS: length 69.8
  Top w0.2: FPC13.13 113.05,7.3 112.7,7.65 v1(112.7,12.25) ; U24.4 81.16,40.02 80.23,40.95 78.45,40.95 76.65,39.15 76.65,27.47 v1(76.77,27.35)
  Bottom w0.2: v1(76.77,27.35) 76.77,27.33 76.9,27.2 76.9,21.75 79.83,18.82 83.33,18.82 89.65,12.5 112.45,12.5 v1(112.7,12.25)
/group-of-8-servo-connectors1/master-to-servo-connector4/SERVO_NRST: length 50.9
  Top w0.2: FPC13.20 116.55,7.6 116.95,8 116.95,12.8 v1(116.85,12.9) ; v1(79.25,22.35) 79.25,24.05 U26.1